# Allegro board HI3516ADMEB_VER_C_PCB.brd
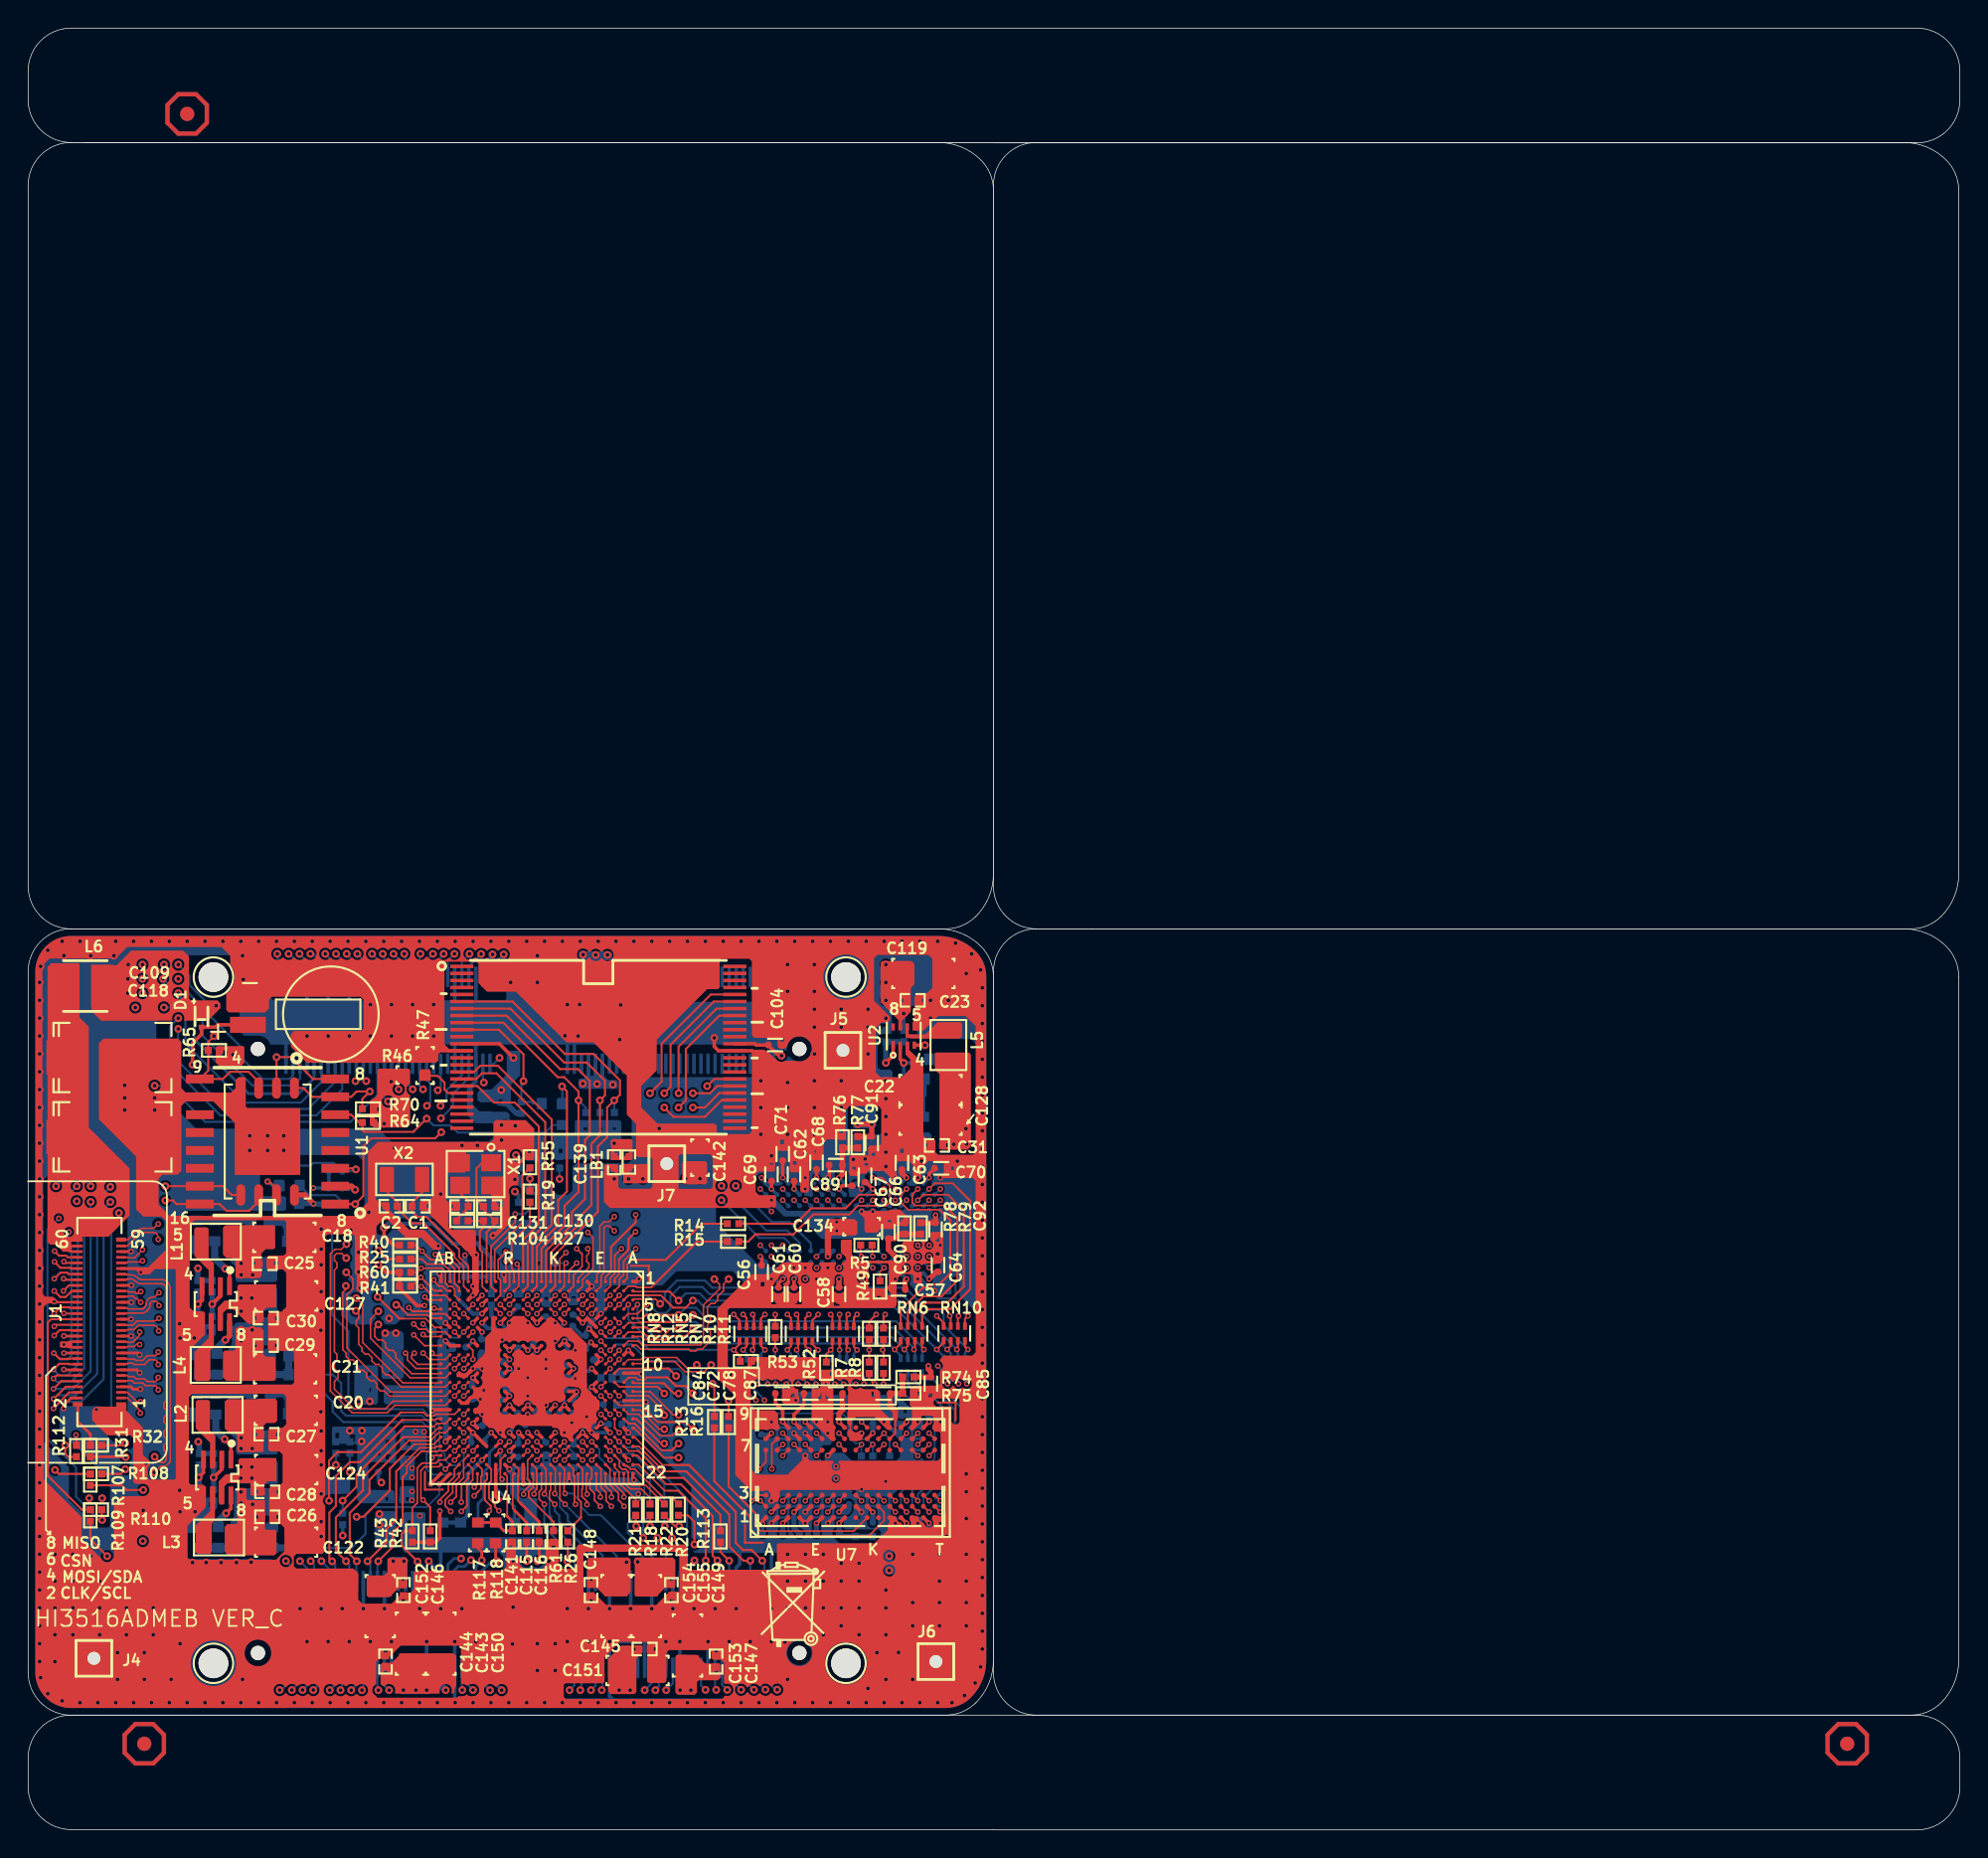
[diagram p0: board, top side]
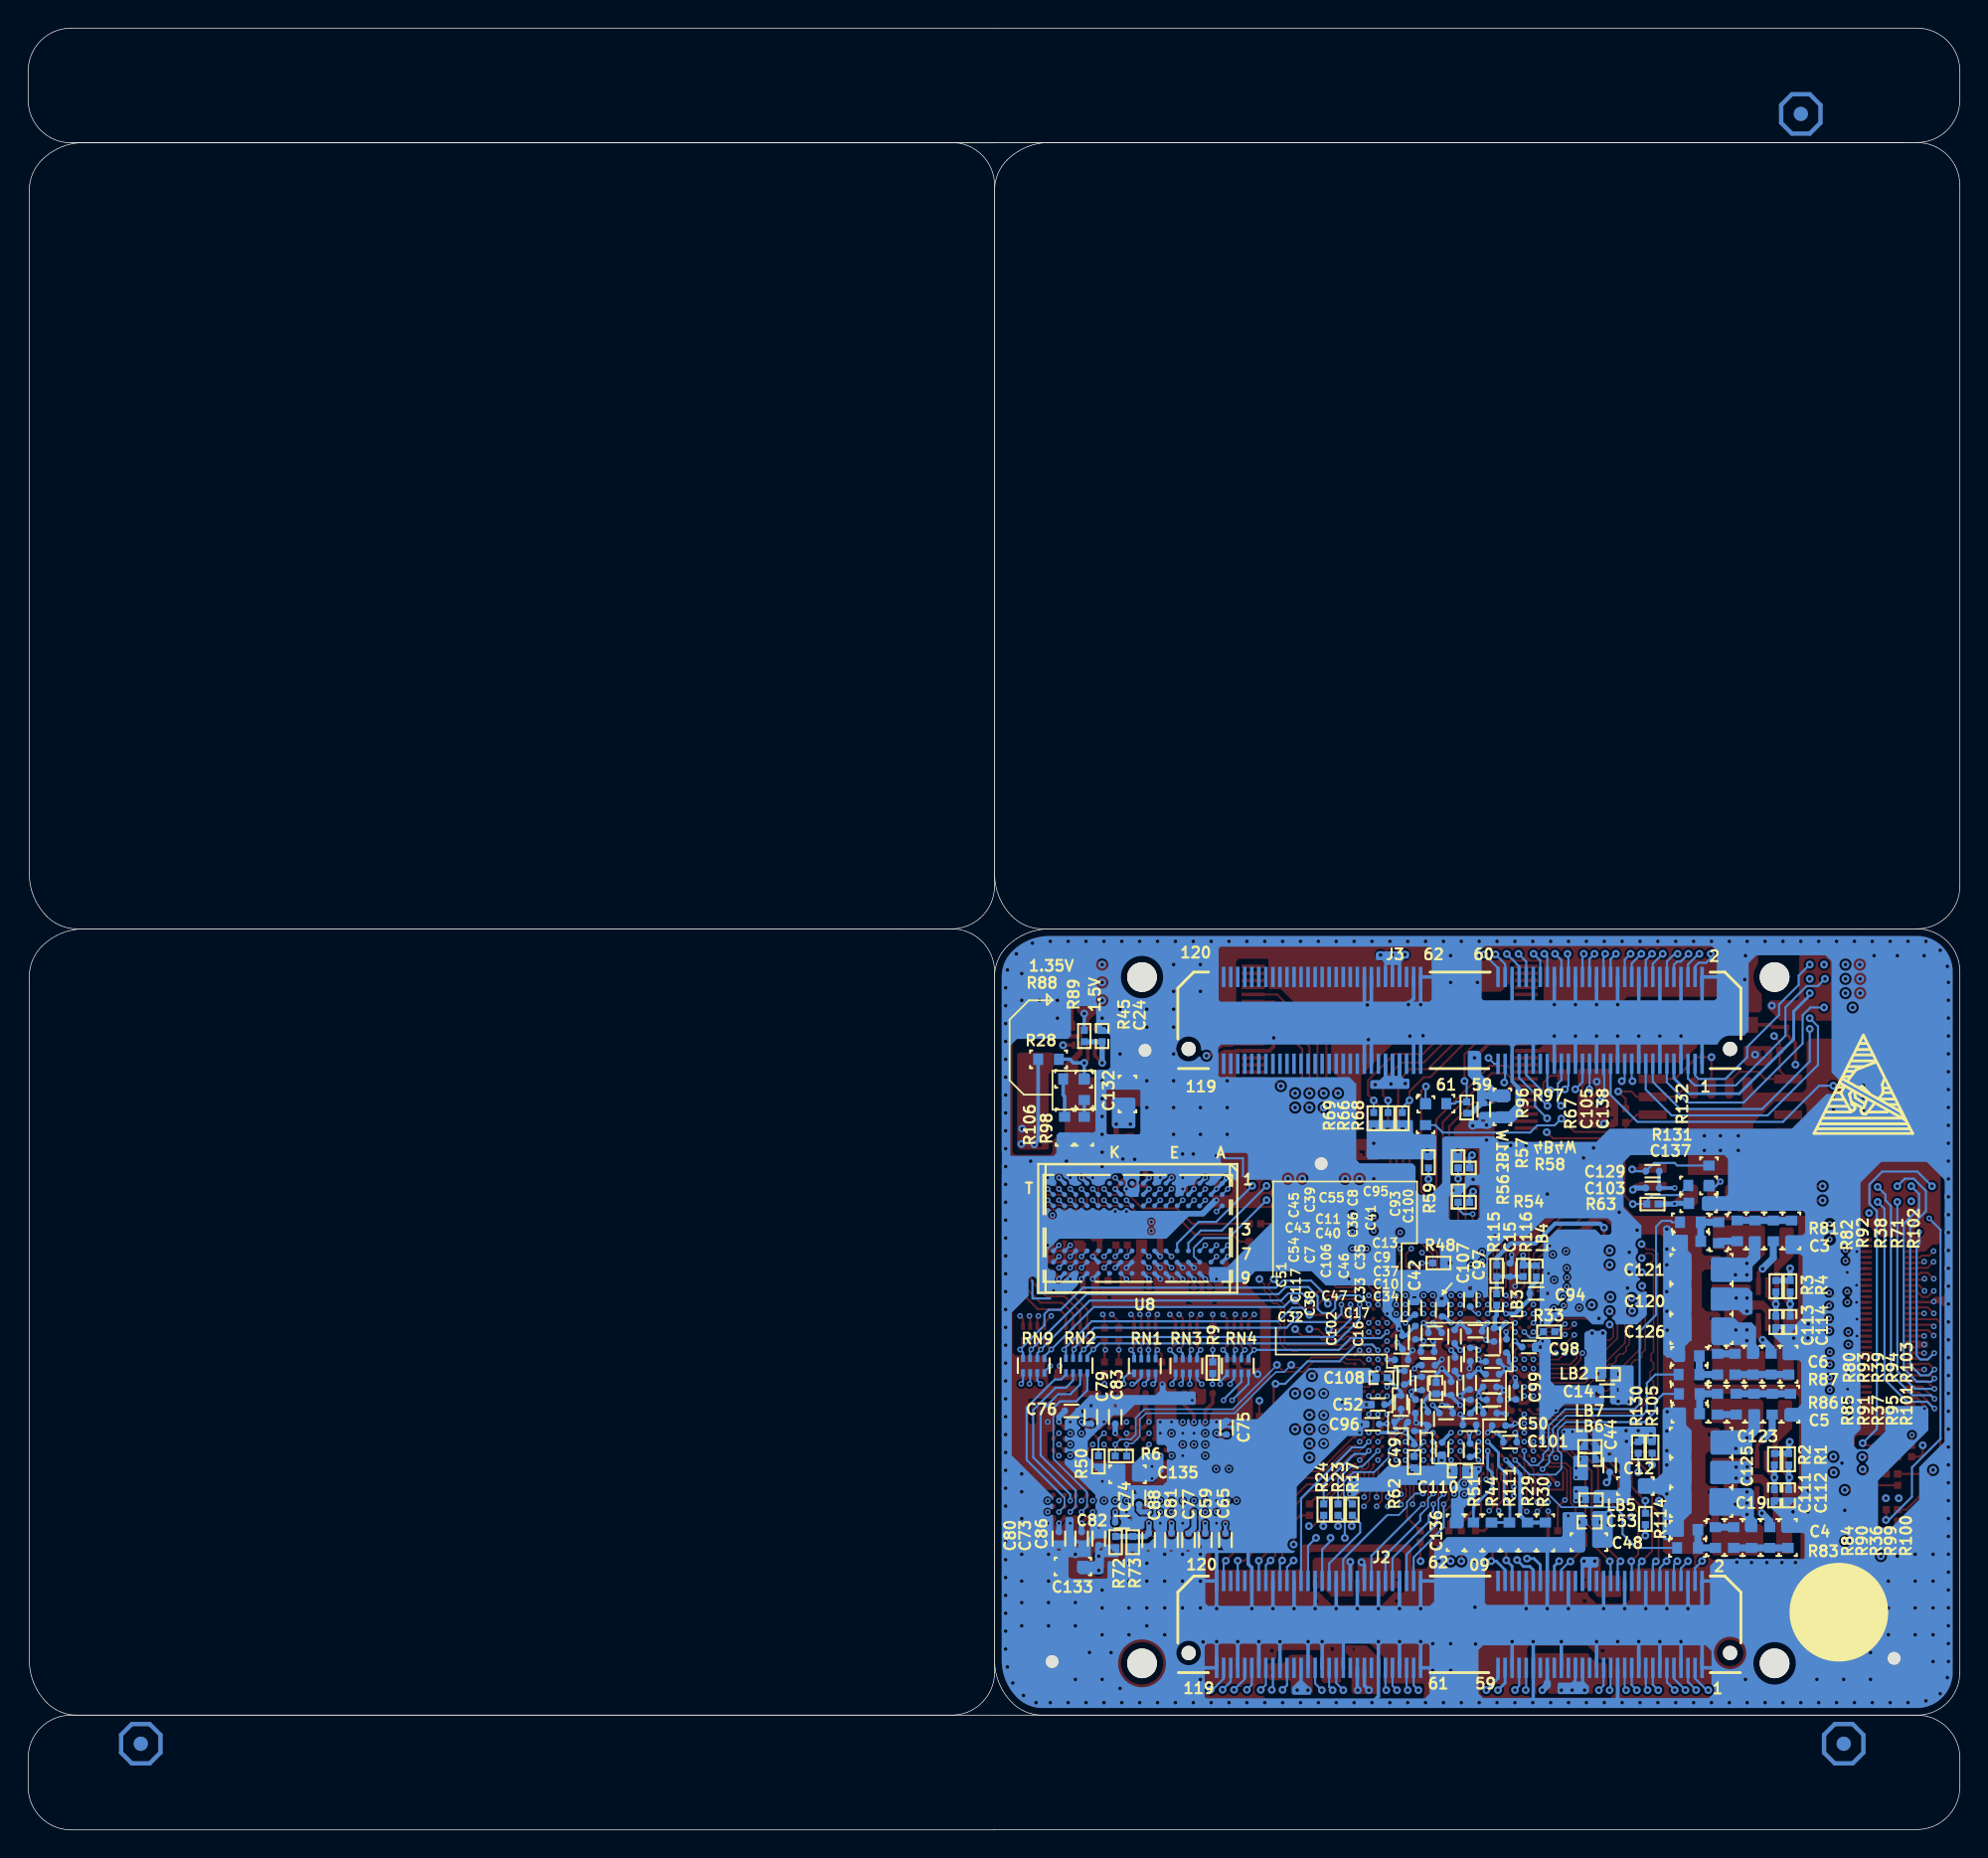
[diagram p1: board, bottom side, seen from below]

Outline 137.29 x 128.04 mm; copper layers: TOP, GND02, ART03, POWER04, POWER05, ART06, GND07, BOTTOM. Coordinates in mm from the lower left corner of the outline.
Outline path: 3.05,119.91 arc(0.89,119.02) 0,116.86 0,67.08 arc(0.89,64.92) 3.05,64.03 ; 3.05,119.91 arc(0.89,120.8) 0,122.96 0,124.99 arc(0.89,127.15) 3.05,128.04 134.24,128.04 arc(136.4,127.15) 137.29,124.99 137.29,122.94 arc(136.4,120.78) 134.24,119.89 68.63,119.89 ; 3.05,119.91 64.71,119.91 arc(66.34,119.59) 67.72,118.67 arc(68.37,117.68) 68.61,116.52 68.61,67.92 arc(68.28,66.3) 67.36,64.92 arc(66.38,64.26) 65.21,64.03 6.99,64.03 ; 3.05,119.91 68.61,119.91 ; 3.05,64.03 arc(0.89,63.14) 0,60.98 0,11.2 arc(0.89,9.04) 3.05,8.15 ; 3.05,64.03 6.99,64.03 ; 3.05,64.03 6.99,64.03 ; 3.05,8.15 arc(0.89,7.26) 0,5.1 0,3.07 arc(0.89,0.92) 3.05,0.02 68.61,0.02 68.63,0 134.24,0 arc(136.4,0.89) 137.29,3.05 137.29,5.1 arc(136.4,7.26) 134.24,8.15 3.05,8.15 ; 3.05,8.15 65.21,8.15 arc(66.38,8.38) 67.36,9.04 arc(68.28,10.42) 68.61,12.04 68.61,60.64 arc(68.37,61.8) 67.72,62.79 arc(66.34,63.71) 64.71,64.03 6.99,64.03 ; 71.65,64.03 arc(69.5,63.14) 68.61,60.98 68.61,11.2 arc(69.5,9.04) 71.65,8.15 133.82,8.15 arc(134.98,8.38) 135.97,9.04 arc(136.89,10.42) 137.21,12.04 137.21,60.64 arc(136.98,61.8) 136.32,62.79 arc(134.94,63.71) 133.32,64.03 75.59,64.03 ; 71.65,64.03 arc(69.5,64.92) 68.61,67.08 68.61,116.86 arc(69.5,119.02) 71.65,119.91 133.32,119.91 arc(134.94,119.59) 136.32,118.67 arc(136.98,117.68) 137.21,116.52 137.21,67.92 arc(136.89,66.3) 135.97,64.92 arc(134.98,64.26) 133.82,64.03 75.59,64.03 ; 71.65,64.03 75.59,64.03 ; 71.65,64.03 75.59,64.03 ; 134.16,119.91 3.96,119.91

## Design rules (mm)
net group $9N771: nets $9N771 RGMII_TXD1
net group $9N774: nets $9N774 RGMII_TXD0
net group $10N485: nets $10N485 VO_CLK
net group DIFF90: nets USB_DM USB_DP
net group DIFFPAIR10: nets DDR3_CLK0_N DDR3_CLK0_P
net group DIFFPAIR11: nets DDR3_CLK1_N DDR3_CLK1_P
net group DIFFPAIR12: nets DDR3_DQS1_N DDR3_DQS1_P
net group DIFFPAIR13: nets DDR3_DQS2_N DDR3_DQS2_P
net group DIFFPAIR14: nets DDR3_DQS3_N DDR3_DQS3_P
net group DIFFPAIR15: nets DDR3_DQS0_N DDR3_DQS0_P
net group DIFFPAIR16: nets MIPI0_D3M/VI_DAT2 MIPI0_D3P/VI_DAT3
net group DIFFPAIR17: nets MIPI1_D2M MIPI1_D2P/VI_CLK
net group DIFFPAIR18: nets MIPI1_D0M/VI_DAT15 MIPI1_D0P/VI_DAT14
net group DIFFPAIR19: nets MIPI1_D3M/VI_DAT9 MIPI1_D3P/VI_DAT8
net group DIFFPAIR20: nets MIPI0_D2M/VI_DAT6 MIPI0_D2P/VI_DAT7
net group DIFFPAIR21: nets MIPI0_D0M/VI_DAT0 MIPI0_D0P/VI_DAT1
net group DIFFPAIR22: nets MIPI0_D1M/VI_HS MIPI0_D1P/VI_VS
net group DIFFPAIR23: nets MIPI1_D1M/VI_DAT11 MIPI1_D1P/VI_DAT10
net group DIFFPAIR24: nets MIPI1_CKM/VI_DAT13 MIPI1_CKP/VI_DAT12
net group DIFFPAIR25: nets MIPI0_CKM/VI_DAT4 MIPI0_CKP/VI_DAT5
net group CLK: nets $10N15 $12N417 ETH_RSTN PER_RSTN SENSOR_CLK SHUTTER_TRIG
net group DDR3_DATA0: nets DDR3_DM0 DDR3_DQ0 DDR3_DQ1 DDR3_DQ2 DDR3_DQ3 DDR3_DQ4 DDR3_DQ5 DDR3_DQ6 DDR3_DQ7
net group DDR3_DATA1: nets DDR3_DM1 DDR3_DQ8 DDR3_DQ9 DDR3_DQ10 DDR3_DQ11 DDR3_DQ12 DDR3_DQ13 DDR3_DQ14 DDR3_DQ15
net group DDR3_DATA3: nets DDR3_DM3 DDR3_DQ24 DDR3_DQ25 DDR3_DQ26 DDR3_DQ27 DDR3_DQ28 DDR3_DQ29 DDR3_DQ30 DDR3_DQ31
net group DDR3_MA: nets DDR3_A0_HI3516A DDR3_A1_HI3516A DDR3_A2_HI3516A DDR3_A3_HI3516A DDR3_A4_HI3516A DDR3_A5_HI3516A DDR3_A6_HI3516A DDR3_A7_HI3516A DDR3_A8_HI3516A DDR3_A9_HI3516A DDR3_A10_HI3516A DDR3_A11_HI3516A DDR3_A12_HI3516A DDR3_A13_HI3516A DDR3_A14_HI3516A DDR3_BA0_HI3516A DDR3_BA1_HI3516A DDR3_BA2_HI3516A DDR3_CAS_N_HI3516A DDR3_CKE_HI3516A DDR3_CS0_N_HI3516A DDR3_CS1_N_HI3516A DDR3_ODT_0_HI3516A DDR3_ODT_1_HI3516A DDR3_RAS_N_HI3516A DDR3_RESET_N_HI3516A DDR3_WE_N_HI3516A
net group DDR_DATA2: nets DDR3_DM2 DDR3_DQ16 DDR3_DQ17 DDR3_DQ18 DDR3_DQ19 DDR3_DQ20 DDR3_DQ21 DDR3_DQ22 DDR3_DQ23
net group DDR_MA_1: nets DDR3_1_A0 DDR3_1_A1 DDR3_1_A2 DDR3_1_A3 DDR3_1_A4 DDR3_1_A5 DDR3_1_A6 DDR3_1_A7 DDR3_1_A8 DDR3_1_A9 DDR3_1_A10 DDR3_1_A11 DDR3_1_A12 DDR3_1_A13 DDR3_1_A14 DDR3_1_BA0 DDR3_1_BA1 DDR3_1_BA2 DDR3_1_CAS_N DDR3_1_CKE DDR3_1_CS_N DDR3_1_RAS_N DDR3_1_RESET_N DDR3_ODT_0
net group DDR_MA_2: nets DDR3_2_A0 DDR3_2_A1 DDR3_2_A2 DDR3_2_A3 DDR3_2_A4 DDR3_2_A5 DDR3_2_A6 DDR3_2_A7 DDR3_2_A8 DDR3_2_A9 DDR3_2_A10 DDR3_2_A11 DDR3_2_A12 DDR3_2_A13 DDR3_2_A14 DDR3_2_BA0 DDR3_2_BA1 DDR3_2_BA2 DDR3_2_CAS_N DDR3_2_CKE DDR3_2_CS_N DDR3_2_RAS_N DDR3_2_RESET_N DDR3_2_WE_N
net group JTAG: nets JTAG_TCK JTAG_TDI JTAG_TDO JTAG_TMS JTAG_TRSTN
net group P: nets 3V3 AC_VREF AVDD33_PLL GND
net group RGMII_TX_CLK: nets RGMII_TX_CLK RGMII_TX_EN RGMII_TXD2 RGMII_TXD3
net group SDIO0_CCLK_OUT: nets SDIO0_CCLK_OUT SDIO0_CCMD SDIO0_CDATA0 SDIO0_CDATA1 SDIO0_CDATA2 SDIO0_CDATA3
net group SDIO1_CCLK_OUT: nets SDIO1_CCLK_OUT SDIO1_CCMD SDIO1_CDATA0 SDIO1_CDATA1 SDIO1_CDATA2 SDIO1_CDATA3
net group SFC_CLK: nets SFC_CSN1 SFC_DI_IO1 SFC_DO_IO0 SFC_HOLD_IO3 SFC_WP_IO2

## Placement (name value [footprint] x y rotation side)
C1  22PF  [SC0402]  27.69 44.32 0 top
C2  22PF  [SC0402]  25.83 44.32 180 top
C3  NC/1UF  [SC0603]  19.11 41.83 0 bottom
C4  NC/1UF  [SC0603]  19.32 21.33 0 bottom
C5  NC/1UF  [SC0603]  19.19 29.58 0 bottom
C6  NC/1UF  [SC0603]  19.22 33.68 0 bottom
C7  100NF  [SC0402-BGA]  38.24 31.73 90 bottom
C8  100NF  [SC0402-BGA]  35.9 35.05 90 bottom
C9  100NF  [SC0402-BGA]  33.23 32.39 180 bottom
C10  2.2UF  [SC0402-BGA]  33.16 30.56 180 bottom
C11  2.2UF  [SC0402-BGA]  37.84 33.99 180 bottom
C12  10UF  [SC0603]  23.06 24.43 180 bottom
C13  2.2UF  [SC0402-BGA]  33.23 33.27 180 bottom
C14  2.2UF  [SC0402-BGA]  25.07 31.21 0 bottom
C15  2.2UF  [SC0402-BGA]  31.98 39.79 90 bottom
C16  2.2UF  [SC0402-BGA]  34.81 26.98 270 bottom
C17  2.2UF  [SC0402-BGA]  34.85 28.78 0 bottom
C18  47UF  [SC1206]  18.21 42.11 0 top
C19  47UF  [SC1206]  18.39 23.29 0 bottom
C20  47UF  [SC1206]  18.31 29.82 0 top
C21  47UF  [SC1206]  18.26 32.76 0 top
C22  NC/47UF  [SC1206]  64.14 52.6 180 top
C23  100NF  [SC0402]  62.87 58.95 0 top
C24  1UF  [SC0402]  60.96 56.41 90 bottom
C25  100NF  [SC0402]  16.81 40.23 0 top
C26  100NF  [SC0402]  16.99 22.25 0 top
C27  100NF  [SC0402]  16.94 28.12 0 top
C28  100NF  [SC0402]  16.99 24.03 0 top
C29  100NF  [SC0402]  16.89 34.41 0 top
C30  100NF  [SC0402]  16.89 36.37 0 top
C31  100NF  [SC0402]  64.59 48.64 180 top
C32  100NF  [SC0402-BGA]  39.71 28.98 0 bottom
C33  2.2UF  [SC0402-BGA]  34.79 30.09 90 bottom
C34  100NF  [SC0402-BGA]  33.39 29.62 180 bottom
C35  2.2UF  [SC0402-BGA]  34.84 31.78 270 bottom
C36  2.2UF  [SC0402-BGA]  35.88 33.1 270 bottom
C37  100NF  [SC0402-BGA]  33.42 31.47 180 bottom
C38  100NF  [SC0402-BGA]  37.81 29.21 270 bottom
C39  100NF  [SC0402-BGA]  38.7 35.33 90 bottom
C40  100NF  [SC0402-BGA]  37.78 33.02 180 bottom
C41  100NF  [SC0402-BGA]  34.8 33.78 270 bottom
C42  100NF  [SC0402-BGA]  38.72 37.08 90 bottom
C43  100NF  [SC0402-BGA]  39.69 33.4 180 bottom
C44  100NF  [SC0402-BGA]  24.89 25.91 270 bottom
C45  100NF  [SC0402-BGA]  39.62 34.65 90 bottom
C46  100NF  [SC0402-BGA]  36.16 31.37 90 bottom
C47  100NF  [SC0402-BGA]  36.51 29.62 180 bottom
C48  10UF  [SC0603]  26.37 20.44 0 bottom
C49  2.2UF  [SC0402-BGA]  38.78 27.87 90 bottom
C50  100NF  [SC0402-BGA]  32.77 28.73 0 bottom
C51  100NF  [SC0402-BGA]  39.71 30.38 270 bottom
C52  100NF  [SC0402-BGA]  41.37 30.23 0 bottom
C53  1UF  [SC0402]  26.31 21.87 0 bottom
C54  100NF  [SC0402-BGA]  39.49 32.13 270 bottom
C55  100NF  [SC0402-BGA]  37.3 35.33 180 bottom
C56  100NF  [SC0402-BGA]  52.13 39.65 270 top
C57  100NF  [SC0402-BGA]  61.86 38.4 180 top
C58  100NF  [SC0402-BGA]  57.63 38.07 270 top
C59  100NF  [SC0402-BGA]  53.63 20.6 270 bottom
C60  100NF  [SC0402-BGA]  54.43 38.07 270 top
C61  100NF  [SC0402-BGA]  53.33 38.07 270 top
C62  100NF  [SC0402-BGA]  54.43 46.58 90 top
C63  100NF  [SC0402-BGA]  62.1 47.39 90 top
C64  100NF  [SC0402-BGA]  64.67 40.13 90 top
C65  100NF  [SC0402-BGA]  52.2 20.6 270 bottom
C66  100NF  [SC0402-BGA]  59.49 46.5 90 top
C67  100NF  [SC0402-BGA]  58.57 46.25 90 top
C68  100NF  [SC0402-BGA]  56.03 47.42 90 top
C69  100NF  [SC0402-BGA]  52.83 46.58 90 top
C70  100NF  [SC0402-BGA]  64.9 47.01 0 top
C71  100NF  [SC0402-BGA]  53.63 48.03 90 top
C72  100NF  [SC0402-BGA]  55.61 31.01 0 top
C73  100NF  [SC0402-BGA]  62.42 20.7 270 bottom
C74  100NF  [SC0402-BGA]  58.33 23.59 90 bottom
C75  100NF  [SC0402-BGA]  52.12 28.57 90 bottom
C76  100NF  [SC0402-BGA]  63.14 29.77 180 bottom
C77  100NF  [SC0402-BGA]  54.82 20.6 270 bottom
C78  100NF  [SC0402-BGA]  57.4 31.01 180 top
C79  100NF  [SC0402-BGA]  61.76 29.33 90 bottom
C80  100NF  [SC0402-BGA]  64.03 20.7 270 bottom
C81  100NF  [SC0402-BGA]  56.03 20.6 270 bottom
C82  100NF  [SC0402-BGA]  59.56 21.87 180 bottom
C83  100NF  [SC0402-BGA]  60.03 29.33 90 bottom
C84  100NF  [SC0402-BGA]  53.58 31.01 0 top
C85  100NF  [SC0402-BGA]  64.16 31.71 270 top
C86  100NF  [SC0402-BGA]  61.2 20.7 90 bottom
C87  100NF  [SC0402-BGA]  60.78 31.01 180 top
C88  100NF  [SC0402-BGA]  57.66 20.6 270 bottom
C89  100NF  [SC0402-BGA]  57.4 47.24 180 top
C90  100NF  [SC0402-BGA]  61.14 42.49 90 top
C91  100NF  [SC0402-BGA]  59.96 48.8 270 top
C92  100NF  [SC0402-BGA]  64.49 42.67 270 top
C93  100NF  [SC0402-BGA]  33.11 35.18 270 bottom
C94  100NF  [SC0402-BGA]  30.1 38.12 180 bottom
C95  100NF  [SC0402-BGA]  34.43 35.43 0 bottom
C96  100NF  [SC0402-BGA]  41.75 28.83 0 bottom
C97  100NF  [SC0402-BGA]  34.8 37.67 90 bottom
C98  100NF  [SC0402-BGA]  30.63 34.31 180 bottom
C99  100NF  [SC0402-BGA]  31.56 31.06 270 bottom
C100  100NF  [SC0402-BGA]  32.22 34.39 270 bottom
C101  100NF  [SC0402-BGA]  31.97 27.56 180 bottom
C102  100NF  [SC0402-BGA]  36.79 27.05 270 bottom
C103  100NF  [SC0402-BGA]  21.84 45.62 180 bottom
C104  100NF  [SC0402-BGA]  53.09 55.78 0 top
C105  100NF  [SC0402-BGA]  33.83 51.18 270 bottom
C106  4.7UF  [SC0402]  37.23 31.4 90 bottom
C107  2.2UF  [SC0402-BGA]  36.79 36.96 90 bottom
C108  4.7UF  [SC0402]  41.11 32.13 0 bottom
C109  NC/100UF  [STC7343]  5.99 54.89 0 top
C110  100NF  [SC0402]  35.53 25.5 0 bottom
C111  1UF  [SC0402]  13.18 23.77 270 bottom
C112  1UF  [SC0402]  12.17 23.77 270 bottom
C113  1UF  [SC0402]  13.08 36.09 270 bottom
C114  1UF  [SC0402]  12.07 36.09 270 bottom
C115  4.7UF  [SC0402]  35.43 20.85 270 top
C116  4.7UF  [SC0402]  36.32 20.85 270 top
C117  2.2UF  [SC0402-BGA]  38.7 30.1 270 bottom
C118  100UF  [STC7343]  5.99 49.25 0 top
C119  22UF  [SC1206]  63.63 60.86 0 top
C120  22UF  [SC1206]  18.36 37.72 0 bottom
C121  22UF  [SC1206]  18.36 39.88 0 bottom
C122  22UF  [SC1206]  18.34 20.44 0 top
C123  22UF  [SC1206]  18.39 27.53 0 bottom
C124  22UF  [SC1206]  18.34 25.6 0 top
C125  NC/22UF  [SC1206]  18.36 25.4 0 bottom
C126  22UF  [SC1206]  18.36 35.58 0 bottom
C127  NC/22UF  [SC1206]  18.34 37.95 0 top
C128  22UF  [SC1206]  64.14 50.44 180 top
C129  1NF  [SC0402-BGA]  21.84 46.81 180 bottom
C130  15PF  [SC0402]  32.77 44.3 0 top
C131  15PF  [SC0402]  30.86 44.3 180 top
C132  10UF  [SC0603]  59.16 52.3 90 bottom
C133  10UF  [SC0603]  63.04 18.72 0 bottom
C134  10UF  [SC0603]  59.23 42.87 0 top
C135  10UF  [SC0603]  59.16 25.27 0 bottom
C136  10UF  [SC0603]  35.84 21.12 270 bottom
C137  10UF  [SC0603]  18.57 44.52 180 bottom
C138  10UF  [SC0603]  32.51 51.38 270 bottom
C139  4.7UF  [SC0402]  41.66 47.44 270 top
C141  4.7UF  [SC0402]  34.42 20.85 270 top
C142  10UF  [SC0603]  47.75 47.77 90 top
C143  47UF  [SC1206]  27.18 13.23 90 top
C144  100NF  [SC0402]  25.4 11.96 90 top
C145  100NF  [SC0402]  43.81 12.85 0 top
C146  100NF  [SC0402]  26.67 17.04 270 top
C147  100NF  [SC0402]  48.89 11.96 90 top
C148  100NF  [SC0402]  40.01 17.04 270 top
C149  100NF  [SC0402]  45.72 17.04 270 top
C150  22UF  [SC1206]  29.34 13.23 90 top
C151  22UF  [SC1206]  43.31 11.33 0 top
C152  22UF  [SC1206]  25.02 15.9 270 top
C153  22UF  [SC1206]  46.86 13.1 90 top
C154  22UF  [SC1206]  41.78 15.9 270 top
C155  22UF  [SC1206]  43.94 15.9 270 top
D1  D_A  [HSOD523]  12.32 57.81 270 top
J1  DF40C20_60DS_04V51  [SED60-16F-A]  5.07 36.09 90 top
J2  QTH_060_02_F_D_A_K  [HSED120-20M-QTH]  35.57 14.6 0 bottom
J3  QTH_060_02_F_D_A_K  [HSED120-20M-QTH]  35.57 57.53 0 bottom
J4  NC  [SIP-1P]  4.67 12.19 270 top
J5  NC  [SIP-1P]  57.91 55.39 270 top
J6  NC  [SIP-1P]  64.52 11.96 270 top
J7  NC  [SIP-1P]  45.39 47.34 270 top
L1  2.2UH  [HSL1008]  13.34 41.81 0 top
L2  2.2UH  [HSL1008]  13.46 29.49 0 top
L3  2.2UH  [HSL1008]  13.56 20.77 0 top
L4  2.2UH  [HSL1008]  13.34 33.04 0 top
L5  2.2UH  [HSL1008]  65.41 55.78 90 top
L6  4.7U  [SPL0303A]  4.06 59.97 0 top
LB1  BLM15HG102SN1D  [SL0402]  42.7 47.46 270 top
LB2  BLM15HG102SN1D  [SL0402]  24.99 32.38 0 bottom
LB3  BLM15HG102SN1D  [SL0402]  32.92 37.69 270 bottom
LB4  BLM15HG102SN1D  [SL0402]  30.1 39.7 270 bottom
LB5  BLM15HG102SN1D  [SL0402]  26.21 23.47 0 bottom
LB6  BLM15HG102SN1D  [SL0402]  26.29 26.31 0 bottom
LB7  BLM15HG102SN1D  [SL0402]  26.29 27.25 0 bottom
NOREF  -  []  0.01 12.35 0 top
NOREF#2  -  []  196.47 198.96 0 top
NOREF#3  -  []  6.37 0.02 90 top
NOREF#4  -  [unnamed#2]  129.29 6.12 0 top
NOREF#5  -  []  -63.3 -58.32 0 top
NOREF#6  VALUE  [unnamed#3]  58.13 11.83 0 top
NOREF#7  VALUE  [unnamed#3]  58.13 60.6 0 top
NOREF#8  -  []  10.55 8.15 90 top
NOREF#9  VALUE  [unnamed#3]  13.17 60.6 0 top
NOREF#10  -  []  0 12.03 0 top
NOREF#11  -  []  10.53 8.15 90 top
NOREF#12  -  []  0 12.33 0 top
NOREF#13  -  []  56.9 16.14 0 top
NOREF#14  -  []  19.46 186.31 0 top
NOREF#15  -  []  177.62 151.15 0 top
NOREF#16  -  []  13.07 8.15 90 top
NOREF#17  -  [unnamed#2]  8.25 6.12 0 top
NOREF#18  VALUE  [unnamed#3]  13.17 11.83 0 top
NOREF#19  -  [unnamed#2]  11.3 121.94 0 top
NOREF#20  -  []  8.09 15.7 180 bottom
NOREF#21  -  [unnamed#2]  11.3 121.94 180 bottom
NOREF#22  -  []  7.54 52.49 180 bottom
NOREF#23  -  [unnamed#2]  129.29 6.12 180 bottom
NOREF#24  -  [unnamed#2]  8.25 6.12 180 bottom
R1  220K  [SR0402]  12.17 26.34 270 bottom
R2  220K  [SR0402]  13.18 26.34 270 bottom
R3  220K  [SR0402]  13.08 38.63 270 bottom
R4  220K  [SR0402]  12.07 38.63 270 bottom
R5  100  [SR0402]  59.57 41.55 180 top
R6  100  [SR0402]  59.63 26.57 180 bottom
R7  33  [SR0402]  59.78 32.84 270 top
R8  33  [SR0402]  60.79 32.84 270 top
R9  33  [SR0402]  53.1 32.84 270 bottom
R10  33  [SR0402]  59.78 35.25 90 top
R11  33  [SR0402]  60.79 35.25 90 top
R12  33  [SR0402]  53.1 35.38 90 top
R13  33  [SR0402]  48.77 28.98 270 top
R14  33  [SR0402]  50.1 43.08 0 top
R15  33  [SR0402]  50.1 41.81 0 top
R16  33  [SR0402]  49.78 28.98 270 top
R17  33  [SR0402]  43.18 22.76 90 bottom
R18  33  [SR0402]  44.2 22.76 90 top
R19  33  [SR0402]  35.66 45.01 270 top
R20  33  [SR0402]  46.23 22.76 90 top
R21  33  [SR0402]  43.18 22.76 90 top
R22  33  [SR0402]  45.21 22.76 90 top
R23  33  [SR0402]  44.2 22.76 90 bottom
R24  33  [SR0402]  45.21 22.76 90 bottom
R25  33  [SR0402]  26.8 40.56 0 top
R26  33  [SR0402]  38.35 20.85 270 top
R27  1MEG  [SR0402]  32.77 43.28 180 top
R28  150K  [SR0603]  64.77 54.76 0 bottom
R29  270  [SR0603]  30.73 21.1 270 bottom
R30  270  [SR0603]  29.46 21.1 270 bottom
R31  NC/0  [SR0402]  4.42 26.92 270 top
R32  0  [SR0402]  4.83 27.33 0 top
R33  33  [SR0402]  29.19 35.4 180 bottom
R36  470K  [SR0603]  14.81 20.77 90 bottom
R37  470K  [SR0603]  14.63 30.25 270 bottom
R38  470K  [SR0603]  14.55 42.57 270 bottom
R39  470K  [SR0603]  14.71 33.09 270 bottom
R40  1K  [SR0402]  26.8 41.55 0 top
R41  1K  [SR0402]  26.8 38.63 0 top
R42  1K  [SR0402]  28.57 20.85 90 top
R43  1K  [SR0402]  27.3 20.85 90 top
R44  1K  [SR0603]  33.3 21.1 270 bottom
R45  100K  [SR0402]  62.23 56.41 270 bottom
R46  4.7K  [SR0603]  27.48 53.64 180 top
R47  NC/4.7K  [SR0603]  28.21 54.32 90 top
R48  240  [SR0402]  37.06 40.28 180 bottom
R49  240  [SR0402]  60.54 38.61 270 top
R50  240  [SR0402]  61.23 26.18 270 bottom
R51  75  [SR0603]  34.57 21.1 270 bottom
R52  4.7K  [SR0402]  56.73 32.84 270 top
R53  4.7K  [SR0402]  51.01 33.3 0 top
R54  4.7K  [SR0402]  35.26 44.6 0 bottom
R55  NC/4.7K  [SR0402]  35.66 47.44 90 top
R56  NC/4.7K  [SR0402]  35.66 45.01 90 bottom
R57  NC/4.7K  [SR0402]  35.66 47.44 90 bottom
R58  NC/4.7K  [SR0402]  35.26 47.04 0 bottom
R59  4.7K  [SR0402]  37.77 47.44 90 bottom
R60  4.7K  [SR0402]  26.8 39.62 0 top
R61  4.7K  [SR0402]  37.34 20.85 270 top
R62  4.7K  [SR0402]  38.79 26.13 270 bottom
R63  4.7K  [SR0402]  21.84 44.47 0 bottom
R64  4.7K  [SR0402]  24.16 50.26 180 top
R65  4.7K  [SR0402]  13.21 55.39 0 top
R66  4.7K  [SR0402]  40.64 50.57 270 bottom
R67  4.7K  [SR0402]  35.05 51.33 270 bottom
R68  4.7K  [SR0402]  39.62 50.57 270 bottom
R69  4.7K  [SR0402]  41.66 50.57 270 bottom
R70  4.7K  [SR0402]  24.16 51.25 180 top
R71  0  [SR0603]  13.26 42.57 90 bottom
R72  1K  [SR0402]  60.01 20.44 90 bottom
R73  1K  [SR0402]  58.79 20.44 270 bottom
R74  1K  [SR0402]  62.56 32.18 180 top
R75  1K  [SR0402]  62.56 31.01 0 top
R76  1K  [SR0402]  57.87 48.87 90 top
R77  1K  [SR0402]  58.97 48.87 270 top
R78  1K  [SR0402]  62.28 42.75 90 top
R79  1K  [SR0402]  63.42 42.75 270 top
R80  NC/0  [SR0603]  17.22 33.09 90 bottom
R81  NC/0  [SR0603]  19.15 43.18 0 bottom
R82  NC/0  [SR0603]  17.14 42.44 90 bottom
R83  NC/0  [SR0603]  19.35 20.04 0 bottom
R84  NC/0  [SR0603]  17.37 20.77 270 bottom
R85  NC/0  [SR0603]  17.22 30.25 90 bottom
R86  NC/0  [SR0603]  19.23 30.99 0 bottom
R87  NC/0  [SR0603]  19.25 32.36 180 bottom
R88  NC/0  [SR0603]  62.99 53.36 0 bottom
R89  0  [SR0603]  62.23 52.6 270 bottom
R90  NC/0  [SR0603]  16.08 20.77 90 bottom
R91  NC/0  [SR0603]  15.9 30.25 270 bottom
R92  NC/0  [SR0603]  15.82 42.57 270 bottom
R93  NC/0  [SR0603]  15.98 33.09 90 bottom
R94  0  [SR0603]  13.41 33.09 90 bottom
R95  0  [SR0603]  13.34 30.25 90 bottom
R96  0  [SR0603]  37.97 50.82 270 bottom
R97  NC/0  [SR0603]  37.24 51.61 180 bottom
R98  100K  [SR0603]  62.23 49.93 270 bottom
R99  0  [SR0603]  13.51 20.77 90 bottom
R100  576K  [SR0603]  12.22 20.77 90 bottom
R101  576K  [SR0603]  12.04 30.25 270 bottom
R102  576K  [SR0603]  11.96 42.57 270 bottom
R103  576K  [SR0603]  12.17 33.09 90 bottom
R104  10  [SR0402]  30.86 43.28 180 top
R105  1K  [SR0402]  21.87 27.18 270 bottom
R106  120K  [SR0603]  63.63 49.93 270 bottom
R107  NC/0  [SR0402]  4.42 24.89 270 top
R108  0  [SR0402]  4.83 25.3 0 top
R109  NC/0  [SR0402]  4.42 22.35 270 top
R110  0  [SR0402]  4.83 22.76 0 top
R111  NC/0  [SR0603]  32.03 21.1 270 bottom
R112  0  [SR0402]  3.43 26.92 90 top
R113  33  [SR0402]  49.2 20.85 90 top
R114  1K  [SR0402]  22.35 22.1 90 bottom
R115  NC/0  [SR0402]  32.92 39.72 90 bottom
R116  0  [SR0402]  31.04 39.72 90 bottom
R117  0  [SR0603]  31.95 21.1 270 top
R118  0  [SR0603]  33.22 21.1 270 top
R130  4.7K  [SR0402]  22.86 27.18 270 bottom
R131  NC/0  [SR0603]  18.57 45.79 0 bottom